# Altium PCB XXXX-YYYY-RZZ-PCB.PcbDoc (continued)
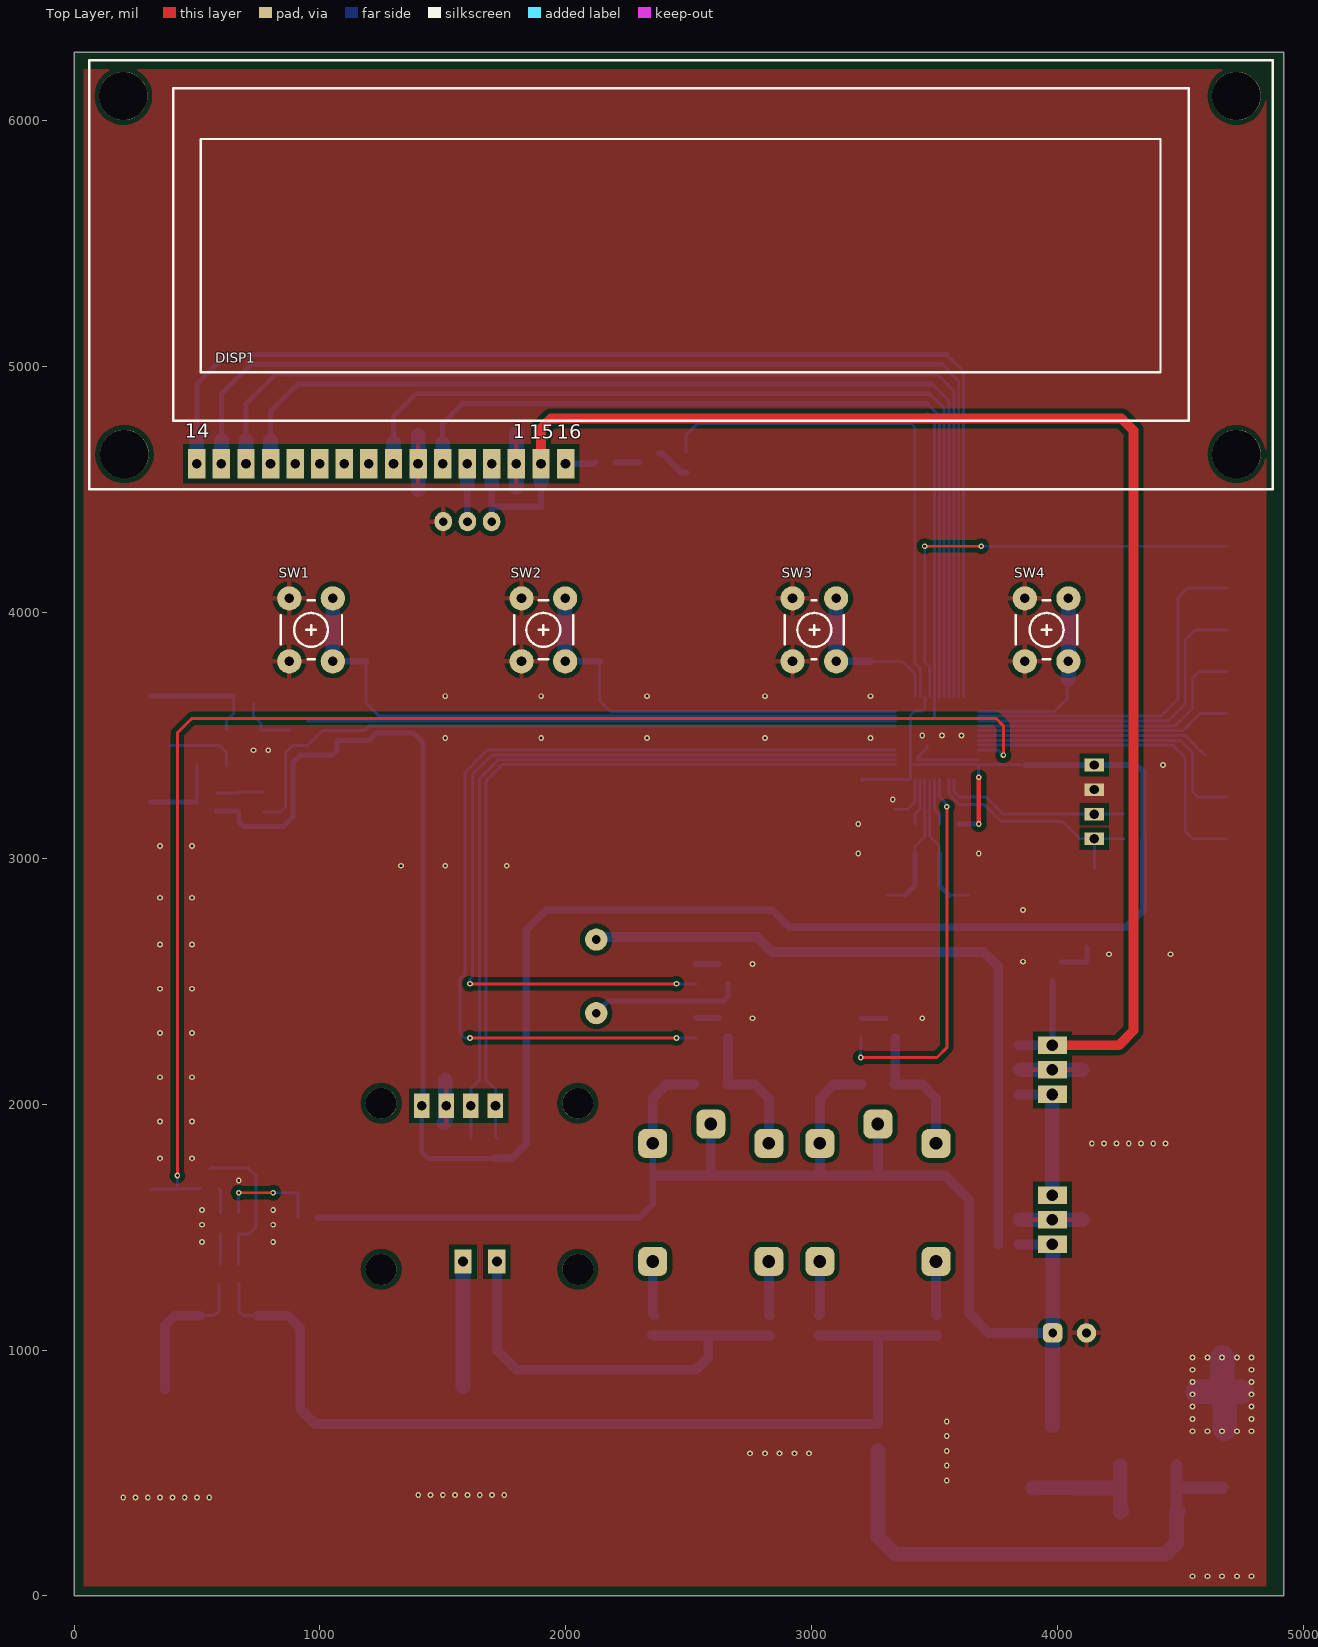
[diagram p0: Top Layer view]
## Footprints (in the part's own frame and the unit in brackets; to place one, negate y for a bottom-side part, rotate by r counter-clockwise, add the part's x,y. Pads: shape width x height; smd on the part's side, far side on the other; paste and mask are expansions set on the pad) (continued)
"RES SMD R0805" [mm] "Chip Resistor, 2-Leads, Body 2,1x1,3mm, IPC Medium Density, Reflow, Wave Soldering"
  rrect50% 1.05x1.4 on Mech4: 1(-1.025,0) 2(1.025,0)
  rect 1.05x1.4 smd: 1(-1.025,0) 2(1.025,0)
  rrect50% 0.945x1.26 on Mech15: 1(-1.025,0) 2(1.025,0)
  silkscreen extent 0,-0.51 0,0.51, body extent -1,-0.62 1,0.63, height 0.58
"RES SMD R0805 [A]" [mm] "Chip Resistor, 2-Leads, Body 2,1x1,3mm, IPC Medium Density, Reflow, Wave Soldering"
  rrect50% 1.05x1.4 on Mech4: 1(-1.025,0) 2(1.025,0)
  rect 1.05x1.4 smd: 1(-1.025,0) 2(1.025,0)
  rrect50% 0.945x1.26 on Mech15: 1(-1.025,0) 2(1.025,0)
  silkscreen extent 0,-0.62 0,0.63, body extent -1,-0.62 1,0.62, height 0.58
"RES SMD R2512" [mm] "Chip Resistor, 2-Leads, Body 6,3x3,1mm, IPC Medium Density, Reflow, Wave Soldering"
  rrect50% 1.35x3.35 on Mech4: 1(-2.975,0) 2(2.975,0)
  rect 1.35x3.35 smd: 1(-2.975,0) 2(2.975,0)
  rrect50% 1.215x3.015 on Mech15: 1(-2.975,0) 2(2.975,0)
  silkscreen extent 0,-1.46 0,1.52, body extent -3.2,-1.6 3.2,1.6, height 0.6
"Shield INA219" [mm] "INA219 High Side DC Current Sensor Breakout - 26V ±3.2A Max"
  round 3.2 hole 3.2: 0(0,0) 0(0,17.16) 0(20.32,0) 0(20.32,17.16)
  rect 1.6x2.5 hole 1: 1(4.191,0.254) 2(6.731,0.254) 3(9.271,0.254) 4(11.811,0.254)
  rect 1.8x2.5 hole 1: 7(8.46,16.36) 8(11.96,16.36)
  silkscreen extent -2.54,-2.54 22.86,19.7, body extent -2.34,-2.65 22.66,19.65, height 2.6
Testpoint#1 [mil]
  rect 196.85x118.11 smd far side: 1(260,-60)
Testpoint#2 [mil]
  rect 118.11x196.85 smd far side: 1(-320,-500)
Testpoint#3 [mil]
  rect 196.85x118.11 smd: 1(0,0)
Testpoint#4 [mil]
  rect 196.85x118.11 smd: 1(-1390,-4390)
Testpoint#5 [mil]
  rect 196.85x118.11 smd: 1(-3201.89,-3150.16)
Testpoint#6 [mil]
  rect 196.85x118.11 smd: 1(20,360)
Testpoint#7 [mil]
  rect 196.85x118.11 smd: 1(20,-100)

## Part data
BZ1: "Buzzer PK-12N40PE-TQ"
C1 C2 C3 C4 C5 C7 C8 C9 C10 C11 C12 C13 C14 C15 C16 C17 C18: library part "Capacitor Ceramic", "Non-polarized"
C6: library part "Capacitor Electrolytic", "Polarized"
CN1: library part "Con Gravação Linha RX  [lite]", "CON GRAVAÇÃO LINHA RX  [lite]"
D1: library part "Diodo MURD620CTT4G D-PAK", "DIODO RETIFICADOR ULTRA-RÁPIDO 6A 200V"
D2 D3 D4 D5: library part "Diode Retifier Single", "DIODO RETIFICADOR"
DISP1: library part "Display 16X2 WH1602L-YYH-JT", "DISPLAY 16X2 WH1602L-YYH-JT"
DZ1 DZ2: "DIODO ZENER"
F1 F2: library part Fusível, "FUSIVEL"
P1: "TRIMPOT HORIZONTAL"
Q1 Q2 Q4 Q5 Q6 Q7: "TRANSISTOR NPN"
Q3: "TRANSISTOR PNP"
R1 R2 R3 R4 R5 R6 R7 R8 R9 R10 R11 R12 R13 R14 R15 R16 R17 R18 R19 R20 R26 R27 R28 R29: library part Res_Geral, "RESISTOR"
R21 R22 R23 R24 R25: "RESISTOR"
RL1 RL2: library part "Rele SPDT", "RELE SPDT"
TP1 TP2 TP3 TP4 TP5 TP6 TP7 TP8 TP9 TP10 TP11 TP12 TP13 TP14 TP15 TP16 TP17: "TESTPOINT"
U1: library part "REG MCP1700 SOT-23-3", "LOW QUIESCENT CURRENT LDO"
U2: library part "SHIELD INA219", "SHIELD INA219"
U3 U4: library part "REG 78XX TO220-3", "REGULADOR DE TENSÃO"
U5: library part "R5F51111ADFL LQFP-4", "MICROCONTROLADOR 32 MHz 32-BIT RX"
U6: library part TSX561AILT, "TSX561AILT"
X1: "CRISTAL"

## Via types
v1: diameter 23.62, hole 11.81, Top Layer to Bottom Layer, tented both sides, 125 vias

## Nets (pads, with @x,y where several pads share a name; then routed paths per layer and width w, separated by ;. In a path a pad name is that pad's centre, name@x,y a point inside that pad or via, vN(x,y) a via of type N, cw(c..) or ccw(c..) an arc to the next point about the centre after c; other vN are vias at no path point)
+3V3: C10.2@1500,1779.65 C15.1@3206.56,3320.28 C16.1@3970,3380.35 C17.2@3870,3380.35 CN1.1 Q3.2@579.21,3192.13 R1.2@4350.35,3180 R2.2@1710,1779.65 R3.2@1610,1779.65 R4.2@4350.35,3080 R5.2@3600.35,3140 R12.2@669.84,3189.17 R14.2@1070,3479.65 R17.1@4120,2720.35 U2.1 U5.12@3401.73,3320.71 U5.28@3460.79,3659.29 U5.48@3679.29,3381.73 | length 9212.6
  Top Layer w20: v1(3680,3140) v1(3680,3330)
  Bottom Layer w12: C15.1@3206.13,3320.71 3401.73,3320.71 3401.73,3581.73 3420,3600 3449.73,3600 3460.79,3611.06 U5.28@3460.79,3659.29 ; 3401.73,3381.73 U5.48@3679.29,3381.73 ; v1(3680,3330) 3679.29,3340.71 U5.48@3679.29,3381.73 ; C17.2@3850,3380.16 3848.42,3381.73 U5.48@3679.29,3381.73
  Bottom Layer w20: Q3.2@579.21,3192.13 666.89,3192.13 669.84,3189.17 669.84,3150.16 690,3130 850,3130 890,3170 890,3390 920,3420 1050,3420 1070,3440 1070,3479.65 1199.65,3479.65 1230,3510 1380,3510 1420,3470 U2.1@1420,1994.09 ; U2.1 1414.13,1805.87 1440,1780 1499.65,1780 1500,1779.65 1610,1779.65 R2.2@1710,1779.65 ; C15.1@3206.13,3320.71 C15.1@3206.56,3320.28 ; R5.2@3600.35,3140 v1(3680,3140)
  Bottom Layer w25: C17.2@3870.2,3380.16 3870.35,3380 CN1.1 4320,3380 4350.35,3349.65 4350.35,3180 R4.2@4350.35,3080
  Bottom Layer w30: R2.2@1710,1779.65 1780.7,1779.65 1840,1838.95 1840,2710 1920,2790 2840,2790 2910,2720 4119.65,2720 4120,2720.35 4280.35,2720.35 4350.35,2790.35 R4.2@4350.35,3080
+5V: C1.2@3979.65,2380 C8.2@1900,4430.35 DISP1.2 DISP1.15 P1.3 R11.2@3840.35,2240 U1.3@3980,2500.63 U4.3 | length 6399.9
  Top Layer w40: DISP1.15 1899.21,4749.21 1940,4790 4260,4790 4310,4740 4310,2300 4249.84,2239.84 U4.3
  Bottom Layer w25: P1.3 1699.21,4370.78 1699.21,4430 ; 1699.21,4520 1699.21,4430 ; 1899.21,4530 1899.21,4431.15 1900,4430.35 1699.56,4430.35 1699.21,4430 ; U4.3@3979.32,2240 U4.3 3979.65,2240.01 3979.65,2380 3980,2380.35 U1.3@3980,2500.63
  Bottom Layer w40: R11.2@3840.35,2240 U4.3@3979.32,2240
  Bottom Layer w60: 1699.21,4520 DISP1.2 ; 1899.21,4530 DISP1.15
+12V: C7.2@3979.12,1839.84 R10.2@3840.35,2040 U3.3 U4.1 | length 549.5
  Bottom Layer w12: U3.3@3979.12,1630.2 U3.3 ; C7.2@3979.12,1839.84 C7.2@3979.47,1840.2 ; U4.1@3979.32,2040 U4.1
  Bottom Layer w40: R10.2@3840.35,2040 U4.1@3979.32,2040
  Bottom Layer w60: U3.3@3979.12,1630.2 C7.2@3979.12,1839.84 ; C7.2@3979.47,1840.2 U4.1
+24V: C6.2 D1.2@3980,692.52 D4.2 D5.2 R9.2@3840.35,1430 R24.2@990.35,1540 RL1.1 RL1.2 RL2.1 RL2.2 U3.1 | length 5969.5
  Bottom Layer w12: U3.1@3979.32,1430 U3.1
  Bottom Layer w25: R24.2@990.35,1540 2300,1540 2353.78,1593.78 RL1.1
  Bottom Layer w40: RL1.1 2353.78,2023.78 2409.95,2079.95 D4.2 ; 2360,1710 2590,1710 ; RL1.2 2590,1710 ; D5.2 3089.95,2079.95 3033.78,2023.78 RL2.1 3033.78,1713.78 3030,1710 ; RL2.2 3270,1710 ; R9.2@3840.35,1430 U3.1@3979.32,1430 ; C6.2 3720.16,1069.84 3640,1150 3640,1610 3540,1710 3270,1710 ; 2590,1710 3030,1710 ; 3030,1710 3270,1710
  Bottom Layer w60: U3.1 3980.58,1428.74 C6.2 3980,1069.27 D1.2@3980,692.52
BUZZER_PIN: R8.1@2530,2489.65 U5.15@3340.71,3421.1 | length 3528.6
  Top Layer w12: v1(1610,2490) v1(2450,2490)
  Bottom Layer w12: v1(1610,2490) 1610,2510 1620,2520 1620,3340 1701.1,3421.1 U5.15@3340.71,3421.1 ; v1(2450,2490) 2529.65,2490 R8.1@2530,2489.65
DISP_BKL: R7.2@2490,4650.35 U5.27@3441.1,3659.29 | length 2132
  Bottom Layer w10: 3403.36,4770 3420,4753.36 3420,3794.41 3441.1,3773.3 U5.27@3441.1,3659.29
  Bottom Layer w12: R7.2@2490,4650.35 2490,4723.36 2536.64,4770 3403.36,4770
DISP_D4: DISP1.11 U5.33@3559.21,3659.29 | length 4249.9
  Bottom Layer w12: 3490,4930 3559.21,4860.79 U5.33@3559.21,3659.29
  Bottom Layer w20: 799.21,4700 799.21,4819.21 910,4930 3490,4930
  Bottom Layer w60: DISP1.11 799.21,4700
DISP_D5: DISP1.12 U5.34@3578.9,3659.29 | length 4443.9
  Bottom Layer w12: 3510,4970 3578.9,4901.1 U5.34@3578.9,3659.29
  Bottom Layer w20: 699.21,4700 699.21,4849.21 820,4970 3510,4970
  Bottom Layer w60: DISP1.12 699.21,4700
DISP_D6: DISP1.13 U5.35@3598.58,3659.29 | length 4643.8
  Bottom Layer w12: 3530,5010 3598.58,4941.42 U5.35@3598.58,3659.29
  Bottom Layer w20: 599.21,4700 599.21,4889.21 720,5010 3530,5010
  Bottom Layer w60: DISP1.13 599.21,4700
DISP_D7: DISP1.14 U5.36@3618.27,3659.29 | length 4843.6
  Bottom Layer w12: 3550,5050 3618.27,4981.73 U5.36@3618.27,3659.29
  Bottom Layer w20: 499.21,4710 499.21,4929.21 620,5050 3550,5050
  Bottom Layer w60: DISP1.14 499.21,4710
DISP_EN: DISP1.6 U5.32@3539.53,3659.29 | length 3667.6
  Bottom Layer w12: 3480,4890 3539.53,4830.47 U5.32@3539.53,3659.29
  Bottom Layer w20: 1299.21,4690 1299.21,4799.21 1390,4890 3480,4890
  Bottom Layer w60: DISP1.6 1299.21,4690
DISP_RS: DISP1.4 U5.31@3519.84,3659.29 | length 3379.4
  Bottom Layer w12: 3470,4850 3519.84,4800.16 U5.31@3519.84,3659.29
  Bottom Layer w20: 1499.21,4687.3 1499.21,4769.21 1580,4850 3470,4850
  Bottom Layer w60: DISP1.4 1499.21,4687.3
EXTAL: C5.2@3420.35,3020 U5.9@3460.79,3320.71 X1.2@3302.68,2850 | length 581.3
  Bottom Layer w10: X1.2@3302.68,2850 X1.2@3380,2850 ; C5.2@3420.35,3020 3420.35,3049.57 3460.79,3090 U5.9@3460.79,3320.71
  Bottom Layer w20: X1.2@3380,2850 3420,2890 ; 3420.35,2890 C5.2@3420.35,3020
GND: C1.1@4060.35,2380 C2.1@4120,2489.65 C3.1@3339.65,3140 C4.1@3600.35,3020 C5.1@3339.65,3020 C6.1 C7.1@4059.83,1839.84 C8.1@1900,4349.65 C9.1@4069.65,2960 C10.1@1500,1860.35 C11.1@3959.65,3660 C12.1@3240,3880.35 C13.1@2140,3880.35 C14.1@1190,3880.35 C15.2@3206.56,3239.57 C16.2@3970,3299.65 C17.1@3870,3299.65 C18.2@389.84,3379.17 CN1.2 D3.1 DISP1.1 DISP1.5 DZ1.1 DZ2.1 P1.1 Q1.2@2379.37,4572.6 Q2.2@2697.4,2569.37 Q4.2@880.47,3596.93 Q5.2@2697.4,2349.37 Q7.2@3377.4,2349.37 R25.1@422.33,1575.41 SW1.2 SW2.2 SW3.2 SW4.2 TP2.1 TP5.1 TP12.1 TP17.1 U1.1@3942.6,2579.37 U2.2 U3.2 U4.2 U5.11@3421.42,3320.71 U5.30@3500.16,3659.29 U5.47@3679.29,3401.42 U6.2 | length 3335.3
  Bottom Layer w12: 3340,3200 3390,3200 3421.42,3231.42 U5.11@3421.42,3320.71 ; 3470,3460 3470,3450 3431.42,3411.42 3431.42,3401.42 U5.47@3679.29,3401.42 ; 3470,4810 3500.16,4779.84 3500.16,3659.29 3500.16,3570.16 3500,3570
  Bottom Layer w60: 1400,4500 1400,4720 ; 1504.29,1925.19 1510,1930.9 1510,2100 ; 1800,4510 1800,4730 ; 3850,1530 4100,1530 ; 3850,2140 4100,2140
  Bottom Layer w100: 4570.31,830 TP12.1 ; v1(4670,970) TP12.1 ; 4680.31,680.32 TP12.1@4680.31,820 ; 4750,830 TP12.1
  other v1: 4550,80 4610,80 4670,80 4730,80 4790,80 200,400 250,400 300,400 350,400 400,400 450,400 500,400 550,400 1400,410 1450,410 1500,410 1550,410 1600,410 1650,410 1700,410 1750,410 3550,470 3550,530 2750,580 2810,580 2870,580 2930,580 2990,580 3550,590 3550,650 4550,670 4610,670 4670,670 4730,670 4790,670 3550,710 4550,720 4790,720 4550,770 4790,770 4550,820 4790,820 4550,870 4790,870 4550,920 4790,920 4550,970 4610,970 4730,970 4790,970 520,1440 810,1440 520,1510 810,1510 520,1570 810,1570 670,1690 350,1780 480,1780 4140,1840 4190,1840 4240,1840 4290,1840 4340,1840 4390,1840 4440,1840 350,1930 480,1930 350,2110 480,2110 350,2290 480,2290 2760,2350 3450,2350 350,2470 480,2470 2760,2570 3860,2580 4210,2610 4460,2610 350,2650 480,2650 3860,2790 350,2840 480,2840 1330,2970 1510,2970 1760,2970 3190,3020 3680,3020 350,3050 480,3050 3190,3140 3330,3240 4430,3380 730,3440 790,3440 1510,3490 1900,3490 2330,3490 2810,3490 3240,3490 3450,3500 3530,3500 3610,3500 1510,3660 1900,3660 2330,3660 2810,3660 3240,3660
MD: CN1.3 R1.1@4269.65,3180 U5.3@3578.9,3320.71 | length 778.1
  Bottom Layer w12: U5.3@3578.9,3320.71 3578.9,3271.1 3600,3250 3710,3250 3780,3180 CN1.3 R1.1@4269.65,3180
NetBZ1_1: BZ1.1 Q2.3@2660,2490.63 | length 615.3
  Bottom Layer w20: BZ1.1 2173.39,2420 2640,2420 2660,2440 Q2.3@2660,2490.63
NetBZ1_2: BZ1.2 R9.1@3759.65,1430 R10.1@3759.65,2040 R11.1@3759.65,2240 | length 2819.8
  Bottom Layer w40: BZ1.2 2134.17,2680 2780,2680 2840,2620 3700,2620 3759.65,2560.35 3759.65,2240 3759.65,2040 R9.1@3759.65,1430
NetC2_2: C2.2@4120,2570.35 R17.2@4120,2639.65 U1.2@4017.4,2579.37 | length 162.3
  Bottom Layer w20: U1.2@4017.4,2579.37 4119.02,2579.37 4120,2580.35 R17.2@4120,2639.65
NetC18_1: C18.1@389.84,3459.88 D2.1 R15.1@499.84,3459.88 | length 296.8
  Bottom Layer w12: C18.1@389.84,3459.88 499.84,3459.88 590.12,3459.88 619.84,3430.16 D2.1@619.84,3375.71
NetD1_1: D1.1@4070.55,438.58 D1.3@3889.45,438.58 F1.2 F2.2 | length 544.4
  Bottom Layer w60: D1.3@3900,438.58 3901.42,440 D1.1@4060,440 ; D1.1@4070.55,438.58 4254.41,438.58 4255.83,440 ; F2.2 4255.83,440 ; F1.2@4261.42,345.59 F1.2 4255.83,440
NetD2_2: D2.2 R16.1@649.65,3660 TP4.1 | length 488.4
  Bottom Layer w12: D2.2@619.84,3523.35 619.84,3559.84 649.49,3589.49 R16.1@649.49,3660
  Bottom Layer w20: TP4.1 R16.1@649.49,3660
NetD3_2: D3.2 Q4.1@880.47,3522.13 R16.2@730.35,3660 | length 241.3
  Bottom Layer w12: 730.2,3629.53 730.2,3579.8 761.06,3548.94 D3.2@761.06,3522.13 ; D3.2@759.84,3523.35 D3.2@761.06,3522.13 ; Q4.1@880.47,3522.13 D3.2@761.06,3522.13
NetD4_1: D4.1 Q5.3@2660,2270.63 RL1.3 | length 566.1
  Bottom Layer w40: Q5.3@2660,2270.63 2660,2082.11 D4.1 2769.98,2080.02 2826.22,2023.78 RL1.3
NetD5_1: D5.1 Q7.3@3340,2270.63 RL2.3 | length 566.1
  Bottom Layer w20: D5.1 D5.1@3340,2082.11
  Bottom Layer w40: D5.1 3449.98,2080.02 3506.22,2023.78 RL2.3 ; D5.1@3340,2082.11 Q7.3@3340,2270.63
NetDISP1_3: DISP1.3 P1.2 | length 235.7
  Bottom Layer w25: 1599.21,4520 1599.21,4370.79 P1.2
  Bottom Layer w60: 1599.21,4520 DISP1.3
NetDISP1_16: DISP1.16 R6.2@2119.65,4610 | length 122.4
  Bottom Layer w25: DISP1.16 2115.03,4605.39 R6.2@2119.65,4610
NetDZ1_2: DZ1.2 R24.1@909.65,1540 U6.5 | length 420.9
  Top Layer w12: v1(670,1640) v1(810,1640)
  Bottom Layer w12: U6.5 669.74,1639.74 v1(670,1640) ; v1(810,1640) 910.08,1640 910.03,1639.95 R24.1@910.03,1540.05
NETLABEL74: F1.1@4484.17,340 F2.1@4484.17,530 R29.2@3270,619.65 TP11.1 | length 2121.4
  Bottom Layer w50: F1.1@4484.17,340 4484.17,440 ; F2.1@4484.17,530 4484.17,440 ; TP11.1 4484.17,440
  Bottom Layer w60: 3270,590 3270,240 3340,170 4440,170 4484.17,214.17 4484.17,340 F1.1@4490,345.83
NetQ1_1: Q1.1@2379.37,4647.4 R7.1@2490,4569.65 | length 142.8
  Bottom Layer w25: Q1.1@2379.37,4647.4 2392.6,4647.4 2470.35,4569.65 R7.1@2490,4569.65
NetQ1_3: Q1.3@2300.63,4610 R6.1@2200.35,4610 | length 100.3
  Bottom Layer w25: R6.1@2200.35,4610 Q1.3@2300.63,4610
NetQ2_1: Q2.1@2622.6,2569.37 R8.2@2530,2570.35 | length 93
  Bottom Layer w12: Q2.1@2621.61,2570.35 Q2.1@2622.6,2569.37
  Bottom Layer w25: R8.2@2530,2570.35 Q2.1@2621.61,2570.35
NetQ3_1: Q3.1@579.21,3266.93 R12.1@669.84,3269.88 R13.1@769.84,3269.88 | length 191.9
  Bottom Layer w12: Q3.1@579.21,3266.93 666.89,3266.93 669.84,3269.88 R13.1@769.84,3269.88
NetQ3_3: Q3.3@500.47,3229.53 R15.2@499.84,3379.17 TP3.1 | length 339
  Bottom Layer w12: Q3.3@499.84,3230.16 R15.2@499.84,3379.17
  Bottom Layer w20: TP3.1 Q3.3@499.84,3229.53
NetQ5_1: Q5.1@2622.6,2349.37 R18.2@2530,2350.35 | length 93
  Bottom Layer w25: R18.2@2530,2350.35 2621.61,2350.35 Q5.1@2622.6,2349.37
NetQ6_1: Q6.1@589.74,1656.4 U6.4 | length 99.3
  Bottom Layer w12: Q6.1@589.74,1656.4 594.93,1651.2 U6.4
NetQ6_3: Q6.3@552.33,1735.14 R22.1@670,1350.35 U6.1@669.74,1472.26 | length 615.9
  Bottom Layer w12: Q6.3@552.33,1735.14 557.2,1740 710,1740 740,1710 740,1500 712.26,1472.26 669.74,1472.26 669.74,1350.62 R22.1@670,1350.35
NetQ7_1: Q7.1@3302.6,2349.37 R26.2@3200,2350.35 | length 103
  Bottom Layer w20: R26.2@3200,2350.35 3200.98,2349.37 Q7.1@3302.6,2349.37
NetR19_1: R19.1@2350,1140.35 RL1.4 | length 222.7
  Bottom Layer w40: RL1.4 2353.78,1146.57 R19.1@2360,1140.35
NetR19_2: R19.2@2350,1059.65 R20.2@2830,1059.65 U2.8 | length 1843.5
  Bottom Layer w40: U2.8 1720,1000 1800,920 2530,920 2580,970 2580,1059.65 ; R19.2@2350,1059.65 2580,1059.65 ; R20.2@2830,1059.65 2580,1059.65
NetR20_1: R20.1@2830,1140.35 RL1.5 | length 221.7
  Bottom Layer w40: RL1.5 2826.22,1144.13 R20.1@2830,1140.35
NetR21_1: R21.1@747.13,1140 R22.2@670,1269.65 R27.2@3510,1059.65 R28.2@3030,1059.65 R29.1@3270,700.35 | length 3922.8
  Bottom Layer w12: R22.2@670,1269.65 670,1160 690,1140 R21.1@747.13,1140
  Bottom Layer w40: R21.1@747.13,1140 870,1140 920,1090 920,760 980,700 R29.1@3260,700 ; R28.2@3030,1059.65 3270,1059.65 ; R29.1@3270,700.35 3270,1059.65 ; R27.2@3510,1059.65 3270,1059.65
NetR21_2: R21.2@512.87,1140 R23.2@590,1269.65 TP16.1 | length 614.5
  Bottom Layer w12: R21.2@512.87,1140 570,1140 590,1160 R23.2@590,1269.65
  Bottom Layer w40: TP16.1 370,1100 410,1140 R21.2@512.87,1140
NetR23_1: R23.1@590,1350.35 U6.3 | length 124
  Bottom Layer w12: R23.1@590,1350.35 594.93,1355.29 U6.3
NetR27_1: R27.1@3510,1140.35 RL2.5 | length 221.7
  Bottom Layer w40: RL2.5 3506.22,1144.13 R27.1@3510,1140.35
NetR28_1: R28.1@3030,1140.35 RL2.4 | length 221.7
  Bottom Layer w40: R28.1@3030,1140.35 3033.78,1144.13 RL2.4
NetTP1_1: TP1.1 U2.7 | length 507.8
  Bottom Layer w60: TP1.1@1582.2,852.2 U2.7
NMI: R5.1@3519.65,3140 U5.7@3500.16,3320.71 | length 189.1
  Bottom Layer w12: U5.7@3500.16,3320.71 3500.16,3199.84 3520,3180 3520,3140.35 R5.1@3519.65,3140
P26: U5.2@3598.58,3320.71
P27: U5.1@3618.27,3320.71
P40: DZ2.2 Q6.2@514.93,1656.4 R25.2@422.33,1656.12 U5.45@3679.29,3440.79 | length 5684.8
  Top Layer w12: v1(420,1710) 420,3510 480,3570 3750,3570 3780,3540 v1(3780,3420)
  Bottom Layer w12: DZ2.2 316.66,1656.12 422.33,1656.12 422.61,1656.4 Q6.2@514.93,1656.4 ; R25.2@420,1656.4 v1(420,1710) ; U5.45@3679.29,3440.79 3759.21,3440.79 v1(3780,3420)
P41: TP13.1 U5.43@3679.29,3480.16 | length 1199.8
  Bottom Layer w12: U5.43@3679.29,3480.16 4499.84,3480.16 4550,3430 4550,3270 4570,3250 TP13.1
P42: TP10.1 U5.42@3679.29,3499.84 | length 953.8
  Bottom Layer w12: U5.42@3679.29,3499.84 4520.16,3499.84 TP10.1@4600,3420
P46: TP9.1 U5.41@3679.29,3519.53 | length 1039.9
  Bottom Layer w12: U5.41@3679.29,3519.53 4509.53,3519.53 4580,3590 TP9.1
PB0: TP15.1 U5.29@3480.47,3659.29 | length 1849.2
  Top Layer w10: v1(3460,4270) v1(3690,4270)
  Bottom Layer w10: v1(3460,4270) 3460,3800 3480.47,3779.53 U5.29@3480.47,3659.29 ; v1(3690,4270) TP15.1
PE0: TP7.1 U5.39@3679.29,3558.9 | length 1316.7
  Bottom Layer w12: U5.39@3679.29,3558.9 4448.9,3558.9 4520,3630 4520,3890 4560,3930 TP7.1
PE1: TP6.1 U5.38@3679.29,3578.58 | length 1467.7
  Bottom Layer w12: U5.38@3679.29,3578.58 4420,3578.58 4490,3648.58 4490,4060 4530,4100 TP6.1
PE7: TP8.1 U5.40@3679.29,3539.21 | length 1173.9
  Bottom Layer w12: U5.40@3679.29,3539.21 4479.21,3539.21 4550,3610 4550,3732.44 4577.56,3760 TP8.1
PJ6: U5.46@3679.29,3421.1
PJ7: TP14.1 U5.44@3679.29,3460.47 | length 1344
  Bottom Layer w12: U5.44@3679.29,3460.47 4469.53,3460.47 4520,3410 4520,3110 4550,3080 TP14.1
RELE_INA: R18.1@2530,2269.65 U5.16@3340.71,3440.79 | length 3826.5
  Top Layer w12: v1(1610,2270) v1(2450,2270)
  Bottom Layer w12: v1(1610,2270) 1587.54,2270 1570,2287.54 1570,2510 1590,2530 1590,3350 1680.79,3440.79 U5.16@3340.71,3440.79 ; v1(2450,2270) 2450.35,2269.65 R18.1@2530,2269.65
RELE_TSX: R26.1@3200,2269.65 U5.6@3519.84,3320.71 | length 1549.4
  Top Layer w12: v1(3200,2190) 3510,2190 3550,2230 v1(3550,3210)
  Bottom Layer w12: v1(3200,2190) R26.1@3200,2269.65 ; U5.6@3519.84,3320.71 3519.84,3250.16 3550,3220 v1(3550,3210)
RES#: C9.2@4150.35,2960 CN1.4 R4.1@4269.65,3080 U5.4@3559.21,3320.71 | length 965.4
  Bottom Layer w12: U5.4@3559.21,3320.71 3559.21,3260.79 3600,3220 3700,3220 3770,3150 4020,3150 4090,3080 CN1.4 ; C9.2@4150.35,2960 4150,2960.35 4150,3060 CN1.4 ; R4.1@4269.65,3080 CN1.4
RXD1: Q4.3@959.21,3559.53 R14.1@1070,3560.35 U5.22@3340.71,3558.9 | length 2491.8
  Bottom Layer w12: Q4.3@950.12,3558.9 R14.1@1060.12,3558.9 ; Q4.3@959.21,3559.53 959.57,3559.17 1059.84,3559.17 R14.1@1060.12,3558.9 ; U5.22@3340.71,3558.9 R14.1@1060.12,3558.9
SCL: R3.1@1610,1860.35 U2.3 U5.14@3340.71,3401.42 | length 3203.8
  Bottom Layer w12: R3.1@1610,1860.35 1614.13,1864.48 U2.3 1614.13,2064.13 1650,2100 1650,3325.39 1726.03,3401.42 U5.14@3340.71,3401.42
SDA: R2.1@1710,1860.35 U2.4 U5.13@3340.71,3381.73 | length 3165.9
  Bottom Layer w12: R2.1@1720,1860.35 1714.13,1866.22 U2.4 1714.13,2061.78 1675.91,2100 1675.91,3315.91 1741.73,3381.73 U5.13@3340.71,3381.73
TC_ENTER: C14.2@1190,3799.65 SW1.1 U5.23@3340.71,3578.58 | length 2739.1
  Bottom Layer w12: C14.2@1187.78,3801.87 1187.78,3632.22 1241.42,3578.58 U5.23@3340.71,3578.58
  Bottom Layer w25: SW1.1@1052.52,3801.87 1187.78,3801.87 C14.2@1190,3799.65
  Bottom Layer w60: SW1.1@1052.52,3801.87 SW1.1@1052.52,4057.77
TC_ESC: C11.2@4040.35,3660 SW4.1 U5.37@3679.29,3598.27 | length 785.3
  Bottom Layer w12: U5.37@3679.29,3598.27 3988.27,3598.27 4040,3650 4040,3723.61
  Bottom Layer w60: 4044.65,3728.26 4044.65,3801.87 SW4.1@4044.65,4057.77
TC_MAIS: C13.2@2140,3799.65 SW2.1 U5.24@3340.71,3598.27 | length 1780.2
  Bottom Layer w12: C13.2@2137.78,3801.87 2137.78,3642.22 2181.73,3598.27 U5.24@3340.71,3598.27
  Bottom Layer w25: SW2.1@1997.4,3801.87 2137.78,3801.87 C13.2@2140,3799.65
  Bottom Layer w60: SW2.1@1997.4,3801.87 SW2.1@1997.4,4057.77
TC_MENOS: C12.2@3240,3799.65 SW3.1 U5.26@3421.42,3659.29 | length 686.1
  Bottom Layer w12: C12.2@3240,3799.65 3240.35,3800 3370,3800 3421.42,3748.58 U5.26@3421.42,3659.29
  Bottom Layer w30: SW3.1@3099.76,3801.87 C12.2@3237.78,3801.87
  Bottom Layer w60: SW3.1@3099.76,3801.87 SW3.1@3099.76,4057.77
TXD1: R13.2@769.84,3189.17 U5.21@3340.71,3539.21 | length 2844.7
  Bottom Layer w12: R13.2@769.84,3189.17 839.17,3189.17 860,3210 860,3430 890,3460 950,3460 1010,3520 1180,3520 1199.21,3539.21 U5.21@3340.71,3539.21
USB0_DM: U5.18@3340.71,3480.16
USB0_DP: U5.19@3340.71,3499.84
VCC_USB: U5.17@3340.71,3460.47
VCL: C3.2@3420.35,3140 U5.10@3441.1,3320.71 | length 189.3
  Bottom Layer w12: C3.2@3420.35,3140 3420.35,3180.35 3441.1,3201.1 U5.10@3441.1,3320.71
VSS_USB: U5.20@3340.71,3519.53
XCOUT: U5.5@3539.53,3320.71
XTAL: C4.2@3519.65,3020 U5.8@3480.47,3320.71 X1.1@3637.32,2850 | length 580.8
  Bottom Layer w10: U5.8@3480.47,3320.71 3480.47,3090 3519.65,3050.83 C4.2@3519.65,3020 ; X1.1@3560,2850 X1.1@3637.32,2850
  Bottom Layer w20: 3519.65,2890 C4.2@3519.65,3020 ; 3520,2890 X1.1@3560,2850
pads on no net: "DISP1.FURO 3mm" C1.1@4060.35,2380 C1.2@3979.65,2380 C2.1@4120,2489.65 C2.2@4120,2570.35 C3.1@3339.65,3140 C3.2@3420.35,3140 C4.1@3600.35,3020 C4.2@3519.65,3020 C5.1@3339.65,3020 C5.2@3420.35,3020 C7.1@4059.83,1839.84 C7.2@3979.12,1839.84 C8.1@1900,4349.65 C8.2@1900,4430.35 C9.1@4069.65,2960 C9.2@4150.35,2960 C10.1@1500,1860.35 C10.2@1500,1779.65 C11.1@3959.65,3660 C11.2@4040.35,3660 C12.1@3240,3880.35 C12.2@3240,3799.65 C13.1@2140,3880.35 C13.2@2140,3799.65 C14.1@1190,3880.35 C14.2@1190,3799.65 C15.1@3206.56,3320.28 C15.2@3206.56,3239.57 C16.1@3970,3380.35 C16.2@3970,3299.65 C17.1@3870,3299.65 C17.2@3870,3380.35 C18.1@389.84,3459.88 C18.2@389.84,3379.17 D1.1@3889.45,438.58 D1.1@4070.55,438.58 D1.2@3980,692.52 D1.3@3889.45,438.58 DISP1.7 DISP1.8 DISP1.9 DISP1.10 F1.1@4255.83,340 F1.1@4484.17,340 F2.1@4255.83,530 F2.1@4484.17,530 Q1.1@2379.37,4647.4 Q1.2@2379.37,4572.6 Q1.3@2300.63,4610 Q2.1@2622.6,2569.37 Q2.2@2697.4,2569.37 Q2.3@2660,2490.63 Q3.1@579.21,3266.93 Q3.2@579.21,3192.13 Q3.3@500.47,3229.53 Q4.1@880.47,3522.13 Q4.2@880.47,3596.93 Q4.3@959.21,3559.53 Q5.1@2622.6,2349.37 Q5.2@2697.4,2349.37 Q5.3@2660,2270.63 Q6.1@589.74,1656.4 Q6.2@514.93,1656.4 Q6.3@552.33,1735.14 Q7.1@3302.6,2349.37 Q7.2@3377.4,2349.37 Q7.3@3340,2270.63 R1.1@4269.65,3180 R1.2@4350.35,3180 R2.1@1710,1860.35 R2.2@1710,1779.65 R3.1@1610,1860.35 R3.2@1610,1779.65 R4.1@4269.65,3080 R4.2@4350.35,3080 R5.1@3519.65,3140 R5.2@3600.35,3140 R6.1@2200.35,4610 R6.2@2119.65,4610 R7.1@2490,4569.65 R7.2@2490,4650.35 R8.1@2530,2489.65 R8.2@2530,2570.35 R9.1@3759.65,1430 R9.2@3840.35,1430 R10.1@3759.65,2040 R10.2@3840.35,2040 R11.1@3759.65,2240 R11.2@3840.35,2240 R12.1@669.84,3269.88 R12.2@669.84,3189.17 R13.1@769.84,3269.88 R13.2@769.84,3189.17 R14.1@1070,3560.35 R14.2@1070,3479.65 R15.1@499.84,3459.88 R15.2@499.84,3379.17 R16.1@649.65,3660 R16.2@730.35,3660 R17.1@4120,2720.35 R17.2@4120,2639.65 R18.1@2530,2269.65 R18.2@2530,2350.35 R19.1@2350,1140.35 R19.2@2350,1059.65 R20.1@2830,1140.35 R20.2@2830,1059.65 R21.1@747.13,1140 R21.2@512.87,1140 R22.1@670,1350.35 R22.2@670,1269.65 R23.1@590,1350.35 R23.2@590,1269.65 R24.1@909.65,1540 R24.2@990.35,1540 R25.1@422.33,1575.41 R25.2@422.33,1656.12 R26.1@3200,2269.65 R26.2@3200,2350.35 R27.1@3510,1140.35 R27.2@3510,1059.65 R28.1@3030,1140.35 R28.2@3030,1059.65 R29.1@3270,700.35 R29.2@3270,619.65 U1.1@3942.6,2579.37 U1.2@4017.4,2579.37 U1.3@3980,2500.63 U2.0 U5.1@3618.27,3320.71 U5.2@3598.58,3320.71 U5.3@3578.9,3320.71 U5.4@3559.21,3320.71 U5.5@3539.53,3320.71 U5.6@3519.84,3320.71 U5.7@3500.16,3320.71 U5.8@3480.47,3320.71 U5.9@3460.79,3320.71 U5.10@3441.1,3320.71 U5.11@3421.42,3320.71 U5.12@3401.73,3320.71 U5.13@3340.71,3381.73 U5.14@3340.71,3401.42 U5.15@3340.71,3421.1 U5.16@3340.71,3440.79 U5.17@3340.71,3460.47 U5.18@3340.71,3480.16 U5.19@3340.71,3499.84 U5.20@3340.71,3519.53 U5.21@3340.71,3539.21 U5.22@3340.71,3558.9 U5.23@3340.71,3578.58 U5.24@3340.71,3598.27 U5.25 U5.26@3421.42,3659.29 U5.27@3441.1,3659.29 U5.28@3460.79,3659.29 U5.29@3480.47,3659.29 U5.30@3500.16,3659.29 U5.31@3519.84,3659.29 U5.32@3539.53,3659.29 U5.33@3559.21,3659.29 U5.34@3578.9,3659.29 U5.35@3598.58,3659.29 U5.36@3618.27,3659.29 U5.37@3679.29,3598.27 U5.38@3679.29,3578.58 U5.39@3679.29,3558.9 U5.40@3679.29,3539.21 U5.41@3679.29,3519.53 U5.42@3679.29,3499.84 U5.43@3679.29,3480.16 U5.44@3679.29,3460.47 U5.45@3679.29,3440.79 U5.46@3679.29,3421.1 U5.47@3679.29,3401.42 U5.48@3679.29,3381.73 U6.1@594.93,1472.26 U6.1@594.93,1559.27 U6.1@632.33,1472.26 U6.1@669.74,1472.26 U6.1@669.74,1559.27 X1.1@3637.32,2850 X1.2@3302.68,2850

## Polygon pours and split planes (outlines as drawn)
GND on Top Layer "GND_L01_P006" (solid, pour order 6): 40,40 4850,40 4850,6210 4270,6210 40,6210 40,5440
GND on Bottom Layer "GND" (solid, remove dead copper, pour order 4): 40,40 2470,40 4850,40 4850,6210 4270,6210 40,6210

## Other copper
Bottom Layer:
  pour cut-out: 170,3770 460,3770 460,3550 170,3550
  pour cut-out: 170,3330 460,3330 460,3120 170,3120
  pour cut-out: 4830,4200 4830,4360 4550,4360 4550,4200
  pour cut-out: 4830,2980 4550,2980 4550,4200 4830,4200
  pour cut-out: 3930,1370 3880,1370 3880.71,1370.71 3880.71,1477.24 3922.76,1477.24 3930,1470
  pour cut-out: 4060,870 4060,1372.94 4058.21,1374.72 4053.49,1370 3890,1370 3890,870
  pour cut-out: 3979.12,1630.2 3979.47,1630.55 3979.47,2039.84 3890.16,2039.84 3890,2040 3890,1630
  pour cut-out: 3979.47,2239.84 3920.16,2239.84 3920,2240 3920,2540 3980,2540
  pour cut-out: 4790,250 4790,620 4160,620 4160,870 3800,870 3800,250

## Silkscreen, mask and mechanical layers (free items; w line width, h text height)
Bottom Overlay:
  lines w10: 4020,2360 4020,2400 ; 140,270 600,270 600,980 140,980 140,270 ; 1350,280 1350,990 1810,990 1810,280 1350,280
  text "GND" at 4730,1010 h40
  text "VOUT" at 560,920 h40 r90
  text "VOUT" at 1770,920 h40 r90
  text "GND" at 1770,580 h40 r90
  text "GND" at 560,570 h40 r90
  text "+24V" at 4740,240 h40
  text "INA219" at 1740,190 h60
  text "TSX" at 430,170 h60
Bottom Solder:
  rectangle: 4480,1890 4830,2390
  rectangle: 4480,1280 4830,1780
M1 Board Outline:
  the board outline again, w10
M10 PCB TecInfo TOP:
  drawing of 1522 lines, arcs and shapes, not listed
  text "1" at -2573.18,6699.93 h100
  text "2" at -631.02,6699.93 h100
  text "3" at 1317.79,6699.93 h100
  text "4" at 3264.95,6699.93 h100
  text "5" at 5215.85,6699.93 h100
  text "6" at 7162.58,6699.93 h100
  text "A" at -3423.12,5754.25 h100
  text "A" at 7994.2,5754.25 h100
  text "B" at -3416.87,3687.32 h100
  text "B" at 8000.45,3687.32 h100
  text "C" at -3421.04,1620.39 h100
  text "C" at 7996.28,1620.39 h100
  text "D" at -3423.54,-446.54 h100
  text "D" at 7993.78,-446.54 h100
  text "DATA" at -3058,-465 h100
  text "Responsável" at -2368,-475 h120
  text "Observações" at -228,-490 h200
  text ".Pcb_File_Name_No_Path" at 4732,-510 h200
  text "COD/REVISAO" at 3277,-515 h200
  text "by Vehtec" at 2832.58,-704.77 h90.55
  text ".Print_Date" at -3158,-750 h100
  text ".ComputerName" at -2438,-755 h100
  text "SUBPRODUTO" at 3317,-770 h200
  text ".VariantName" at 4742,-780 h200
  text ".Print_Time" at -3163,-1020 h100
  text "MTG-TOP" at 3305,-1049 h200
  text "A4" at 2577,-1091 h314.96
  text "1" at -2573.18,-1292.2 h100
  text "2" at -631.02,-1292.2 h100
  text "3" at 1317.79,-1292.2 h100
  text "4" at 3264.95,-1292.2 h100
  text "5" at 5215.85,-1292.2 h100
  text "6" at 7162.58,-1292.2 h100
M12 PCB TecInfo BOP:
  drawing of 1522 lines, arcs and shapes, not listed
  text "6" at -2535.58,6699.93 h100
  text "5" at -588.85,6699.93 h100
  text "4" at 1362.05,6699.93 h100
  text "3" at 3309.21,6699.93 h100
  text "2" at 5258.02,6699.93 h100
  text "1" at 7200.18,6699.93 h100
  text "A" at -3367.2,5754.25 h100
  text "A" at 8050.12,5754.25 h100
  text "B" at -3373.45,3687.32 h100
  text "B" at 8043.87,3687.32 h100
  text "C" at -3369.28,1620.39 h100
  text "C" at 8048.04,1620.39 h100
  text "D" at -3366.78,-446.54 h100
  text "D" at 8050.54,-446.54 h100
  text "DATA" at 7685,-465 h100
  text "Responsável" at 6995,-475 h120
  text "Observações" at 4855,-490 h200
  text ".Pcb_File_Name_No_Path" at -105,-510 h200
  text "COD/REVISAO" at 1350,-515 h200
  text "by Vehtec" at 1798.99,-741.77 h90.55
  text ".Print_Date" at 7785,-750 h100
  text ".ComputerName" at 7065,-755 h100
  text "SUBPRODUTO" at 1310,-770 h200
  text ".VariantName" at -115,-780 h200
  text "A4" at 1930,-1020 h100
  text ".Print_Time" at 7790,-1020 h100
  text "MTG-BOT" at 1296,-1077 h200
  text "6" at -2535.58,-1292.2 h100
  text "5" at -588.85,-1292.2 h100
  text "4" at 1362.05,-1292.2 h100
  text "3" at 3309.21,-1292.2 h100
  text "2" at 5258.02,-1292.2 h100
  text "1" at 7200.18,-1292.2 h100

## Text inside footprints (layer, text, board x,y; h text height)
BZ1: M6 LED "+" at 2100.71,2853.7 h55 r270; Bottom Overlay "+" at 2100.71,2853.7 h55 r270
C6: M6 LED "+" at 3864.43,1099.37 h60 r180; Bottom Overlay "+" at 3860,1100 h60 r180
DISP1: Top Overlay "16" at 1963.58,4686.1 h100; Top Overlay "1" at 1784.45,4689.06 h100; Top Overlay "15" at 1851.38,4687.09 h100; Top Overlay "14" at 449.8,4690.04 h100
U2: Bottom Overlay "VIN-" at 1800,2120 h62 r270; Bottom Overlay "VIN+" at 1880,2120 h62 r270; Bottom Overlay "SDA" at 1690,2120 h62 r270; Bottom Overlay "SCL" at 1590,2120 h62 r270; Bottom Overlay "GND" at 1490,2120 h62 r270; Bottom Overlay "VCC" at 1390,2120 h62 r270; Bottom Overlay "VIN-" at 1397.75,1377.12 h62 r180; Bottom Overlay "VIN+" at 1795.39,1379.09 h62 r180